# Altium PCB PowerAMP.PcbDoc (part 2 of 4)
Units mm, origin at the board's own origin, x right, y up, seen from the top; angles counter-clockwise.
Board outline 211.5 x 142.58 mm, 2 copper layers (Top Layer, Bottom Layer), stack 1.635 mm thick; 274 components, 177 nets, 874 pads, 679 vias.
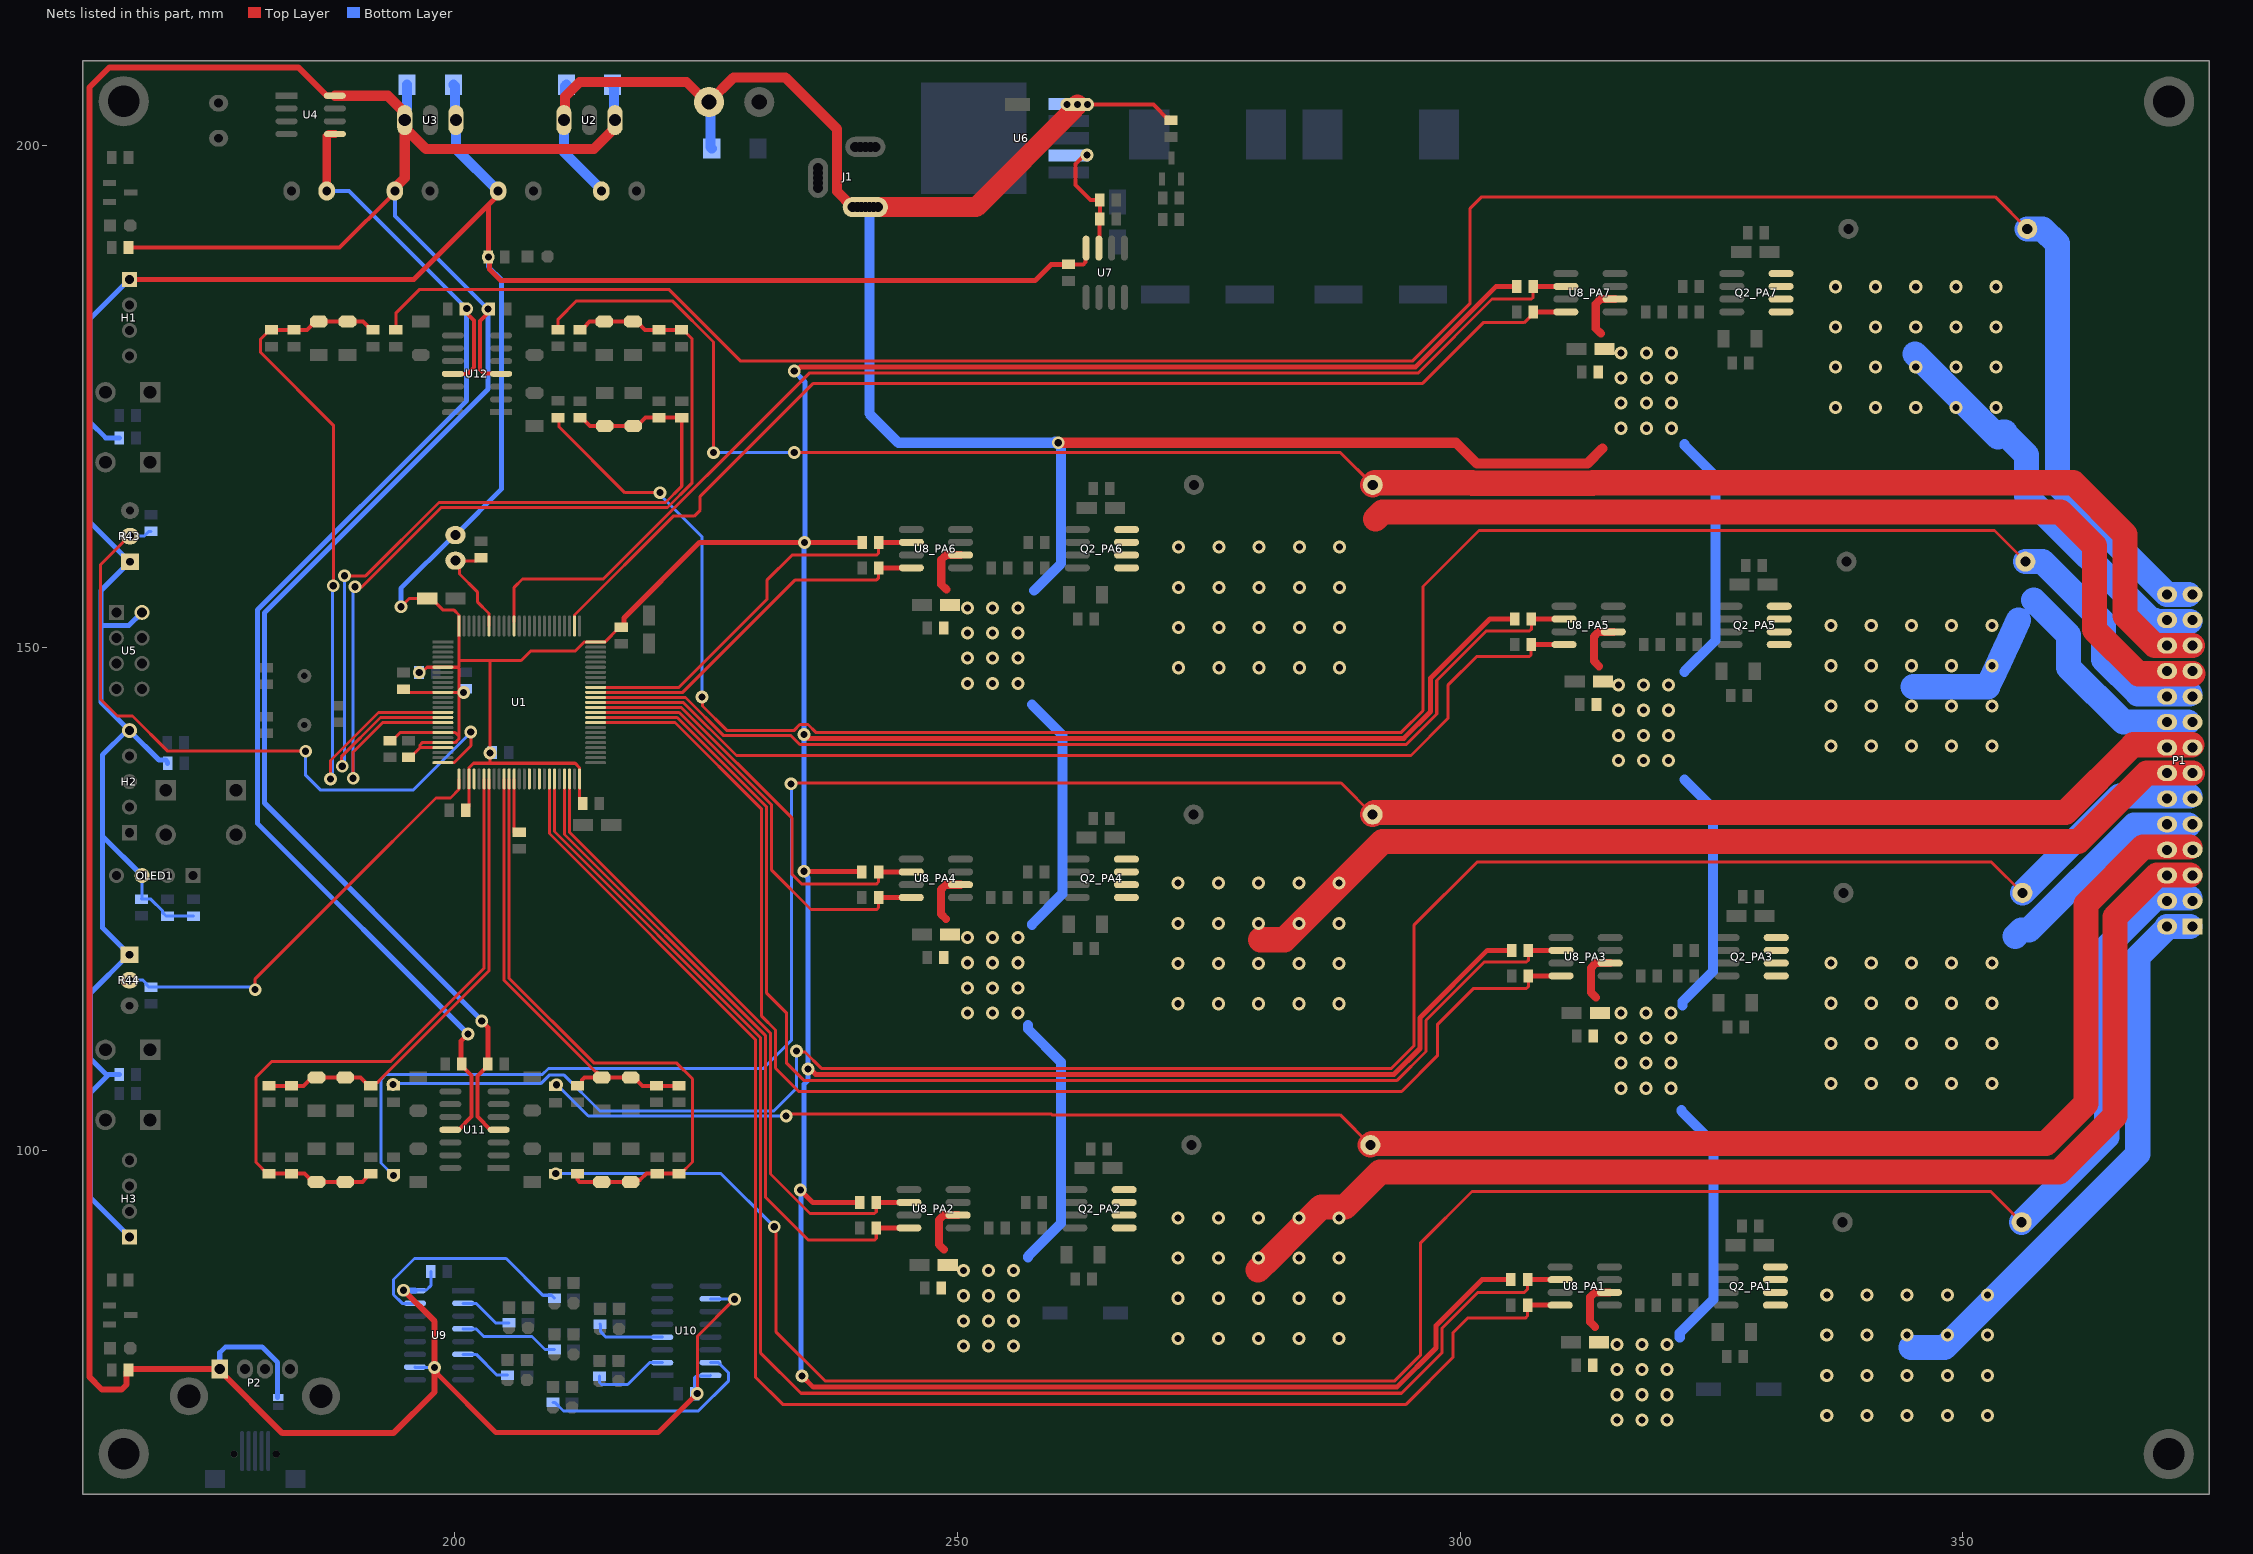
[diagram p2: the nets of this part, all layers, seen from the top]

## Via types
v1: diameter 1.3, hole 0.7, Top Layer to Bottom Layer, tented both sides, 556 vias
v2: diameter 1.27, hole 0.711, Top Layer to Bottom Layer, tented both sides, 92 vias
v3: diameter 1.27, hole 0.7, Top Layer to Bottom Layer, tented both sides, 31 vias

## Nets (pads, with @x,y where several pads share a name; then routed paths per layer and width w, separated by ;. In a path a pad name is that pad's centre, name@x,y a point inside that pad or via, vN(x,y) a via of type N, cw(c..) or ccw(c..) an arc to the next point about the centre after c; other vN are vias at no path point)
+3v3: C3.1 C11.2 C14.2 C15.2 C16.2 C17.1 C19.2 C20.2 C21.2 C24.2 C25.1 C47.2 C50.1 D2.1 H1.1 H2.5 H3.1 JP1.1 OLED1.3 R1.2 R7.1 R9_PA1.1 R9_PA2.1 R9_PA3.1 R9_PA4.1 R9_PA5.1 R9_PA6.1 R9_PA7.1 R41.1 R42.1 R43.1 R44.1 R47.2 R48.2 U1.6 U1.11 U1.19 U1.21 U1.22 U1.28 U1.50 U1.75 U1.100 U3.3 U5.2 U7.8 | length 837.9
  Top Layer w0.3: C17.1@193.55,140.725 193.725,140.725 194.55,141.55 U1.19@198.8,141.55 200.025,141.55 200.401,141.174 ; v2(194.625,154.075) 195.425,154.875 197.225,154.875 C25.1@197.25,154.9 197.65,154.9 198.825,153.725 199.925,153.725 200.4,153.25 U1.100@200.4,152.15 200.4,148.725 ; C19.2@195.025,146 195.35,145.675 195.35,145.55 U1.11@198.8,145.55 200.351,145.55 200.4,145.501 200.4,148.05 ; C14.2@195.375,139.075 195.55,139.075 196.525,140.05 ; v2(196.453,147.515) 196.465,147.527 196.69,147.527 197.212,148.05 U1.6@198.8,148.05 200.4,148.05 ; U1.22@198.8,140.05 196.525,140.05 ; JP1.1@199.545,161.02 JP1.1@200.05,161.02 ; v3@200.401,145.5 200.401,141.174 ; C15.2@201.1,133.825 201.4,134.125 U1.28@201.4,136.95 201.4,138.057 201.843,138.5 203.475,138.5 ; C16.2@212.825,134.5 212.825,134.675 212.4,135.1 U1.50@212.4,136.95 212.4,138.057 211.957,138.5 203.475,138.5 ; C21.2@216.55,152.025 216.375,152.025 214.9,150.55 U1.75@214,150.55 212.85,150.55 211.95,149.65 207.518,149.65 206.593,148.725 203.496,148.725 ; 196.525,140.05 196.525,140.325 196.75,140.55 U1.21@198.8,140.55 200.025,140.55 200.401,140.926 200.401,141.174 ; 200.4,148.05 200.4,148.725 ; 200.4,148.725 203.496,148.725 ; 203.475,138.5 203.496,138.521 203.496,148.725
  Top Layer w0.4: C11.2@261.025,188.125 262.508,188.125 262.742,188.359 262.742,189.697 U7.8@262.795,189.75
  Top Layer w0.5: H1.1@167.625,186.64 195.92,186.64 203.325,194.045 ; C3.1@204.3,195.425 204.3,195.02 203.325,194.045 ; C21.2@216.55,152.025 216.775,152.25 216.813,152.25 216.813,152.948 224.315,160.45 v2(234.79,160.45) 234.9,160.45 234.931,160.481 R9_PA6.1@240.507,160.481 ; v2(233.75,177.515) 233.958,177.515 234.343,177.9 295.55,177.9 303.59,185.94 R9_PA7.1@305.618,185.94 ; v2(234.365,96.053) 235.611,94.807 R9_PA2.1@240.265,94.807 ; v2(234.525,77.55) 235.65,76.425 293.7,76.425 297.6,80.325 297.6,82.549 302.173,87.122 R9_PA1.1@305.055,87.122 ; v2(234.715,127.75) 234.748,127.717 240.46,127.717 R9_PA4.1@240.493,127.684 ; v2(234.715,141.36) 234.758,141.36 235.143,140.975 294.399,140.975 297.075,143.651 297.075,146.975 302.949,152.849 R9_PA5.1@305.437,152.849 ; v2(235.129,108.079) 235.337,108.079 235.865,107.55 293.425,107.55 296,110.125 296,113.175 302.71,119.885 R9_PA3.1@305.136,119.885 R9_PA3.1@305.106,119.855 ; C11.2@261.025,188.125 259.325,188.125 257.721,186.521 204.554,186.521 203.436,187.639 203.436,188.764 v2(203.325,188.875) 203.325,194.045
  Bottom Layer w0.3: OLED1.3@168.875,127.325 168.875,125.05 C47.2@168.8,124.975 169.75,124.975 170.925,123.8 170.925,123.625 171.25,123.3 R48.2@171.425,123.3 R47.2@174,123.3
  Bottom Layer w0.5: 165.536,107.525 R41.1@166.625,107.525 ; R42.1@166.625,170.875 165.252,170.875 163.675,172.452 ; H3.1@167.625,91.385 163.762,95.248 163.762,105.75 165.431,107.419 163.75,109.1 163.75,115.643 R44.1@167.561,119.455 ; R44.1@167.625,119.455 R44.1@167.561,119.455 ; H1.1@167.625,186.64 163.675,182.69 163.675,172.452 ; R43.1@167.738,158.56 R43.1@167.675,158.56 R43.1@167.611,158.56 ; U5.2@168.866,153.5 167.566,152.2 164.8,152.2 ; OLED1.3@168.875,127.325 164.95,131.25 ; R7.1@171.425,138.5 171.425,138.59 171.2,138.815 170.555,138.815 H2.5@167.625,141.745 ; v2(194.625,154.075) 194.625,155.897 199.923,161.195 JP1.1@200.05,161.195 204.65,165.795 204.65,186.571 203.325,187.896 v2(203.325,188.875) ; v2(233.75,177.515) 234.835,176.43 234.835,160.495 v2(234.79,160.45) ; v2(234.525,77.55) 234.445,77.63 234.445,95.973 v2(234.365,96.053) 234.75,96.053 234.75,106.594 235.125,106.969 235.125,108.079 235.125,127.132 234.715,127.542 v2(234.715,127.75) ; v2@234.75,127.75 234.75,141.36 v2@234.75,160.45 ; 163.675,172.452 163.675,162.496 R43.1@167.611,158.56 ; 164.8,152.2 164.8,155.685 167.036,157.921 167.036,157.984 R43.1@167.611,158.56 ; 164.8,152.2 164.8,144.57 H2.5@167.625,141.745 ; 164.95,131.25 164.95,122.13 166.986,120.094 166.986,120.03 R44.1@167.561,119.455 ; 164.95,131.25 164.95,139.341 167.354,141.745 H2.5@167.625,141.745
  Bottom Layer w1: D2.1@199.85,206 199.994,205.856 199.994,202.571 U3.3@200.09,202.475 200.09,199.635 C3.1@204.3,195.425
  other v3: 203.5,139.525 200.875,145.525
+5: C2.1 C4.1 C38.2 C40.2 C42.1 D1.1 D2.2 P2.1 R37.2 R39.2 U2.3 U3.1 U4.8 U9.10 U9.16 U10.10 U10.16 U11.4 U12.4 W1.2 | length 473.3
  Top Layer w0.3: v2(224.1,75.8) 224.15,75.85 224.15,81.525 v2(227.8,85.175)
  Top Layer w0.4: R37.2@167.525,78.125 R37.2@167.635,78.235 ; R39.2@167.525,189.8 188.527,189.8 194.025,195.298 C2.1@194.025,195.425 ; C40.2@203.275,108.588 203.275,108.413 202.25,107.388 202.25,103.338 203.55,102.038 U11.4@204.35,102.038 ; C38.2@203.488,183.487 202.491,182.49 202.491,177.674 202.891,177.274 204.556,177.274 U12.4@204.591,177.24
  Top Layer w0.5: v2(197.975,78.375) 197.975,78.167 198.279,77.862 198.279,77.721 204.075,71.925 220.225,71.925 v2(224.1,75.8) ; v2(202.675,112.866) 202.675,112.825 203.275,112.225 C40.2@203.275,108.588
  Top Layer w0.6: R37.2@167.525,78.125 167.35,77.95 167.35,76.7 166.85,76.2 164.875,76.2 163.627,77.448 163.627,205.725 165.636,207.734 184.421,207.734 187.25,204.905 U4.8@188.05,204.905 ; R37.2@167.635,78.235 P2.1@176.605,78.235 176.605,78.085 182.84,71.85 193.874,71.85 197.975,75.951 v2@197.975,78.167 ; v2(194.885,86.075) 197.975,82.985 v2(197.975,78.375)
  Top Layer w1: U4.8@188.05,204.905 193.33,204.905 195.01,203.225 U3.1@195.01,202.475 U3.1@195.01,201.725 ; C2.1@194.025,195.425 194.025,195.728 195.01,196.713 U3.1@195.01,201.725 ; U2.3@215.925,202.475 215.925,201.725 213.825,199.625 197.11,199.625 U3.1@195.01,201.725
  Bottom Layer w0.3: U9.10@196.025,78.425 196.05,78.4 197.95,78.4 v2(197.975,78.375) ; U9.16@196.025,86.045 196.082,86.102 197.177,86.102 197.6,86.525 C4.1@197.6,87.925 ; C42.1@223.85,75.8 223.85,77.375 224.018,77.543 225.368,77.543 U10.16@225.425,77.6 ; U10.10@225.425,85.22 225.447,85.198 227.777,85.198 v2(227.8,85.175)
  Bottom Layer w0.4: C2.1@194.025,195.425 194.025,192.95 v2(203.3,183.675)
  Bottom Layer w0.5: P2.1@176.605,78.235 176.605,79.855 177.193,80.443 180.815,80.443 182.355,78.903 W1.2@182.355,75.425 ; v2(202.675,112.866) 202.675,112.913 181.05,134.538 181.05,153.46 203.3,175.71 v2(203.3,183.675)
  Bottom Layer w0.6: v2(194.885,86.075) 194.9,86.06 196.01,86.06 U9.16@196.025,86.045
  Bottom Layer w1: U3.1@195.01,202.475 195.01,203.36 195.25,203.6 D2.2@195.25,206 ; D1.1@215.685,206 215.829,205.856 215.829,202.571 U2.3@215.925,202.475
+12: C1.1 C7.1 C26_PA1.1 C26_PA2.1 C26_PA3.1 C26_PA4.1 C26_PA5.1 C26_PA6.1 C26_PA7.1 C27_PA1.1 C27_PA2.1 C27_PA3.1 C27_PA4.1 C27_PA5.1 C27_PA6.1 C27_PA7.1 D1.2 D3.2 J1.1 R2.2 T1.2 U2.1 U6.1 U8_PA1.6 U8_PA2.6 U8_PA3.6 U8_PA4.6 U8_PA5.6 U8_PA6.6 U8_PA7.6 | length 370.8
  Top Layer w0.4: C7.1@262.925,203.652 v3(262.925,204.025) 269.475,204.025 271.05,202.45 R2.2@271.225,202.45
  Top Layer w0.8: 248.647,90.108 248.139,90.616 248.139,93.068 248.608,93.537 U8_PA2.6@250.065,93.537 ; 248.875,122.985 248.367,123.493 248.367,125.945 248.836,126.414 U8_PA4.6@250.293,126.414 ; 248.889,155.782 248.381,156.29 248.381,158.742 248.85,159.211 U8_PA6.6@250.307,159.211 ; 313.437,82.423 312.929,82.931 312.929,85.383 313.398,85.852 U8_PA1.6@314.855,85.852 ; 313.518,115.186 313.01,115.694 313.01,118.146 313.479,118.615 U8_PA3.6@314.936,118.615 ; 313.819,148.15 313.311,148.658 313.311,151.11 313.78,151.579 U8_PA5.6@315.237,151.579 ; 314,181.241 313.492,181.749 313.492,184.201 313.961,184.67 U8_PA7.6@315.418,184.67
  Top Layer w1: U2.1@210.845,202.475 210.941,202.571 210.941,204.805 212.411,206.275 223.032,206.275 225.032,204.275 T1.2@225.275,204.275 227.7,206.7 232.9,206.7 238.025,201.575 238.025,195.375 239.479,193.921 239.794,193.921 J1.1@239.794,193.825 ; v2(260.025,170.385) 299.59,170.385 301.672,168.303 312.653,168.303 314.15,169.8
  Top Layer w1.5: J1.1@239.575,193.825 239.794,193.825 J1.1@240.025,193.825 J1.1@240.425,193.825
  Top Layer w2: J1.1@241.625,193.825 J1.1@242.075,193.825 251.851,193.825 261.463,203.437 261.463,203.537 v3(261.952,204.025)
  Bottom Layer w1: D1.2@211.085,206 210.941,205.856 210.941,202.571 U2.1@210.845,202.475 210.845,199.282 214.575,195.552 C1.1@214.575,195.425 ; T1.2@225.275,204.275 225.413,204.137 225.413,199.788 D3.2@225.55,199.65 ; J1.1@241.225,193.825 241.225,173.275 244.115,170.385 v2@259.829,170.385 ; 257,89.35 257,89.444 260.275,92.719 260.275,108.791 257,112.066 257,112.45 ; 257.4,122.4 257.4,122.493 260.425,125.518 260.425,141.3 257.4,144.325 ; 257.625,155.675 260.3,158.35 260.3,169.914 v2@259.829,170.385 ; v2@259.714,170.5 v2@259.829,170.385 ; v2(260.025,170.385) v2@259.829,170.385 ; 321.85,81.35 321.85,81.819 325.2,85.169 325.2,100.71 322.025,103.885 322.025,104.025 ; 322.125,114.425 322.125,114.776 325.15,117.801 325.15,134.025 322.3,136.875 ; 322.325,147.575 322.325,147.639 325.4,150.714 325.4,167.047 322.325,170.122 322.325,170.275
  Bottom Layer w2: J1.1@240.025,193.825 J1.1@240.425,193.825 J1.1@240.825,193.825 J1.1@241.225,193.825
  other v1: 315.6,73.175 318.1,73.175 320.6,73.175 315.6,75.675 318.1,75.675 320.6,75.675 315.6,78.175 318.1,78.175 320.6,78.175 250.575,80.525 253.075,80.525 255.575,80.525 315.6,80.675 318.1,80.675 320.6,80.675 250.575,83.025 253.075,83.025 255.575,83.025 250.575,85.525 253.075,85.525 255.575,85.525 250.575,88.025 253.075,88.025 255.575,88.025 315.996,106.166 318.496,106.166 320.996,106.166 315.996,108.666 318.496,108.666 320.996,108.666 315.996,111.166 318.496,111.166 320.996,111.166 251,113.65 253.5,113.65 256,113.65 315.996,113.666 318.496,113.666 320.996,113.666 251,116.15 253.5,116.15 256,116.15 251,118.65 253.5,118.65 256,118.65 251,121.15 253.5,121.15 256,121.15 315.75,138.775 318.25,138.775 320.75,138.775 315.75,141.275 318.25,141.275 320.75,141.275 315.75,143.775 318.25,143.775 320.75,143.775 315.75,146.275 318.25,146.275 320.75,146.275 251,146.45 253.5,146.45 256,146.45 251,148.95 253.5,148.95 256,148.95 251,151.45 253.5,151.45 256,151.45 251,153.95 253.5,153.95 256,153.95 316.025,171.825 318.525,171.825 321.025,171.825 316.025,174.325 318.525,174.325 321.025,174.325 316.025,176.825 318.525,176.825 321.025,176.825 316.025,179.325 318.525,179.325 321.025,179.325
  other v3: 260.9,204.05
-5: C5.2 C39.2 C41.2 U4.5 U11.11 U12.11 | length 135
  Top Layer w0.4: U11.11@199.55,102.038 200.35,102.038 201.65,103.338 201.65,107.438 C41.2@200.675,108.413 ; U12.11@199.791,177.24 201.266,177.24 201.891,177.865 201.891,182.54 200.916,183.515 201.126,183.725 v2(201.175,183.725)
  Top Layer w0.5: C41.2@200.675,108.413 200.588,108.5 200.588,110.844 v2(201.309,111.566)
  Top Layer w0.8: C5.2@187.25,195.425 187.25,200.895 187.45,201.095 U4.5@188.05,201.095
  Bottom Layer w0.4: C5.2@187.25,195.425 189.475,195.425 v2(201.175,183.725)
  Bottom Layer w0.5: v2(201.175,183.725) 201.175,174.575 180.35,153.75 180.35,132.525 v2(201.309,111.566)
ADC1: C31.2 D9.2 D11.2 R18.2 R22.2 U1.36 | length 63.5
  Top Layer w0.3: U1.36@205.4,136.95 205.4,134.575 205.39,134.565 205.39,117.11 213.8,108.7 222.025,108.7 223.625,107.1 223.625,98.823 C31.2@222.475,97.673
  Top Layer w0.4: R18.2@212.2,97.673 212.175,97.648 212.175,97.072 212.409,96.838 214.615,96.838 D9.2@214.625,96.848 D11.2@217.475,96.848 217.692,97.065 218.427,97.065 219.035,97.673 R22.2@220.125,97.673 C31.2@222.3,97.673 C31.2@222.475,97.673
ADC2: C33.2 D15.2 D17.2 R24.2 R28.2 U1.35 | length 44.7
  Top Layer w0.3: U1.35@204.9,136.95 204.9,134.782 204.89,134.772 204.89,116.903 214.063,107.73 D15.2@214.133,107.73
  Top Layer w0.4: R24.2@212.2,106.413 212.375,106.413 212.65,106.688 212.65,107.003 212.884,107.238 D15.2@214.533,107.238 ; D15.2@214.133,107.73 214.133,107.638 D15.2@214.533,107.238 ; C33.2@222.3,106.413 R28.2@220.05,106.413 218.674,106.413 217.849,107.238 D17.2@217.475,107.238 D15.2@214.625,107.238 D15.2@214.533,107.238
ADC3: C35.2 D21.2 D23.2 R30.2 R34.2 U1.32 | length 46.4
  Top Layer w0.3: R30.2@191.45,106.403 R30.2@191.625,106.403 191.95,106.728 192.278,106.728 192.778,107.228 203.4,117.85 U1.32@203.4,136.95
  Top Layer w0.4: C35.2@181.5,106.403 R34.2@183.75,106.403 184.96,106.403 185.785,107.228 D23.2@186.225,107.228 D21.2@189.075,107.228 190.625,107.228 R30.2@191.45,106.403
ADC4: C37.2 D27.2 D29.2 R36.2 R40.2 U1.31 | length 67.2
  Top Layer w0.3: C37.2@181.325,97.673 180.2,98.798 180.2,107.25 181.8,108.85 193.65,108.85 202.9,118.1 U1.31@202.9,136.95
  Top Layer w0.4: C37.2@181.325,97.673 C37.2@181.5,97.673 R40.2@183.75,97.673 185.026,97.673 185.851,96.848 D29.2@186.225,96.848 D27.2@189.075,96.848 190.8,96.848 191.175,97.223 191.175,97.398 191.45,97.673 R36.2@191.625,97.673
ADC5: C32.2 D10.2 D12.2 R19.2 R23.2 U1.16 | length 86.6
  Top Layer w0.3: v2(188.785,138.2) 188.7,138.285 188.7,139.143 192.607,143.05 U1.16@198.8,143.05 ; v2(189.025,157.15) 191.125,157.15 198.409,164.434 220.939,164.434 222.566,166.06 C32.2@222.566,172.875
  Top Layer w0.4: R19.2@212.441,172.875 212.616,172.875 212.891,172.6 212.891,172.575 213.416,172.05 D10.2@214.891,172.05 D12.2@217.741,172.05 218.114,172.05 218.939,172.875 R23.2@220.316,172.875 C32.2@222.566,172.875
  Bottom Layer w0.3: v2(188.785,138.2) 189.025,138.44 v2(189.025,157.15)
ADC6: C34.2 D16.2 D18.2 R25.2 R29.2 U1.17 | length 96.3
  Top Layer w0.3: v2(189.875,137) 189.875,139.611 192.814,142.55 U1.17@198.8,142.55 ; v2(190.05,156.06) 190.135,155.975 190.675,155.975 198.634,163.934 221.147,163.934 223.566,166.353 223.566,180.755 222.716,181.605 C34.2@222.541,181.605
  Top Layer w0.4: R25.2@212.441,181.605 212.616,181.605 212.891,181.88 212.891,181.918 213.403,182.43 D16.2@214.866,182.43 D18.2@217.716,182.43 218.089,182.43 218.914,181.605 R29.2@220.291,181.605 C34.2@222.541,181.605
  Bottom Layer w0.3: v2(189.875,137) 189.875,155.8 190.05,155.975 v2(190.05,156.06)
ADC7: C36.2 D22.2 D24.2 R31.2 R35.2 U1.15 | length 74.2
  Top Layer w0.3: C36.2@181.741,181.605 181.566,181.605 180.65,180.689 180.65,179.375 187.9,172.125 v2(187.9,156.15) ; v2(187.625,136.925) 187.625,138.782 192.393,143.55 U1.15@198.8,143.55
  Top Layer w0.4: C36.2@181.741,181.605 R35.2@183.991,181.605 185.267,181.605 186.092,182.43 D24.2@186.466,182.43 D22.2@189.316,182.43 190.866,182.43 191.691,181.605 R31.2@191.866,181.605
  Bottom Layer w0.3: v2(187.625,136.925) 187.8,137.1 187.8,156.05 v2(187.9,156.15)
ADC10: C45.2 R43.3 U1.25 | length 69
  Top Layer w0.3: R43.3@167.675,161.1 167.611,161.1 164.726,158.215 164.726,144.899 166.425,143.2 167.925,143.2 171.425,139.7 v2(185.15,139.7) ; U1.25@198.8,138.55 199.907,138.55 201.6,140.243 201.6,141.575 v2(201.579,141.596)
  Bottom Layer w0.3: R43.3@167.675,161.1 169.1,161.1 169.575,161.575 C45.2@169.75,161.575 ; v2(185.15,139.7) 185.15,137.3 186.6,135.85 195.875,135.85 201.579,141.554 v2(201.579,141.596)
ADC11: C46.2 R44.3 U1.26 | length 43.1
  Top Layer w0.3: v2(180.125,115.975) 180.125,117.05 189.623,126.548 198.125,135.05 199.55,135.05 200.4,135.9 U1.26@200.4,136.95
  Bottom Layer w0.3: R44.3@167.625,116.915 168.964,116.915 169.25,116.629 169.25,116.55 169.575,116.225 179.875,116.225 v2(180.125,115.975)
Boot0: JP1.2 R8.2 U1.94 | length 10.4
  Top Layer w0.3: JP1.2@200.05,158.655 200.459,158.246 200.459,157.316 202.225,155.55 202.225,154.575 203.4,153.4 U1.94@203.4,152.15 ; JP1.2@200.17,158.6 R8.2@202.04,158.6 ; R8.2@202.1,158.6 202.163,158.663 202.338,158.663 R8.2@202.6,158.925
Boot1: R15.2 U1.37 | length 5.3
  Top Layer w0.3: R15.2@205.9,131.625 205.9,131.95 205.89,131.96 205.89,134.358 205.9,134.368 U1.37@205.9,136.95
clk1: R9_PA1.2 U1.45 U8_PA1.2 | length 153.5
  Top Layer w0.3: U1.45@209.9,136.95 209.9,131.711 230.385,111.226 230.385,79.865 234.425,75.825 294.175,75.825 298.2,79.85 298.2,82.3 301.725,85.825 306.36,85.825 306.705,86.17 R9_PA1.2@306.705,87.122
  Top Layer w0.5: R9_PA1.2@306.705,87.122 U8_PA1.2@309.955,87.122
clk2: R9_PA2.2 U1.48 U8_PA2.2 | length 64
  Top Layer w0.3: U1.48@211.4,136.95 211.4,131.625 231.385,111.64 231.385,97.64 235.325,93.7 241.739,93.7 241.915,93.876 R9_PA2.2@241.915,94.807
  Top Layer w0.5: R9_PA2.2@241.915,94.807 U8_PA2.2@245.165,94.807
clk3: R9_PA3.2 U1.60 U8_PA3.2 | length 132.5
  Top Layer w0.3: U1.60@214,143.05 222.107,143.05 231.015,134.142 231.015,115.628 233.001,113.642 233.001,108.649 234.7,106.95 293.732,106.95 296.6,109.818 296.6,112.926 302.399,118.725 306.61,118.725 306.786,118.901 R9_PA3.2@306.786,119.885
  Top Layer w0.5: R9_PA3.2@306.786,119.885 U8_PA3.2@310.036,119.885
clk4: R9_PA4.2 U1.62 U8_PA4.2 | length 42.5
  Top Layer w0.3: U1.62@214.475,144.05 222.521,144.05 233.55,133.021 233.55,127.428 234.478,126.5 241.967,126.5 242.143,126.676 R9_PA4.2@242.143,127.684
  Top Layer w0.5: R9_PA4.2@242.143,127.684 U8_PA4.2@245.393,127.684
clk5: R9_PA5.2 U1.64 U8_PA5.2 | length 106
  Top Layer w0.3: U1.64@214,145.05 222.936,145.05 226.741,141.245 233.437,141.245 234.307,140.375 294.647,140.375 297.675,143.403 297.675,146.726 302.599,151.65 306.911,151.65 307.087,151.826 R9_PA5.2@307.087,152.849
  Top Layer w0.5: R9_PA5.2@307.087,152.849 U8_PA5.2@310.337,152.849
clk6: R9_PA6.2 U1.66 U8_PA6.2 | length 39.1
  Top Layer w0.3: U1.66@214,146.05 222.293,146.05 231.025,154.782 231.025,156.693 233.557,159.225 241.975,159.225 242.157,159.407 R9_PA6.2@242.157,160.481
  Top Layer w0.5: R9_PA6.2@242.157,160.481 U8_PA6.2@245.407,160.481
clk7: R9_PA7.2 U1.89 U8_PA7.2 | length 121.1
  Top Layer w0.3: U1.89@205.9,152.55 205.9,156 206.725,156.825 214.761,156.825 235.236,177.3 267.014,177.3 295.799,177.3 303.174,184.675 307.092,184.675 307.268,184.851 R9_PA7.2@307.268,185.94
  Top Layer w0.5: R9_PA7.2@307.268,185.94 U8_PA7.2@310.518,185.94
clk8: U1.40
clk_p1: R13_PA1.1 U1.44 U8_PA1.4 | length 155.3
  Top Layer w0.3: U1.44@209.4,136.95 209.4,131.504 229.885,111.019 229.885,77.447 232.607,74.725 294.631,74.725 299.3,79.394 299.3,81.844 300.783,83.327 306.529,83.327 306.705,83.503 R13_PA1.1@306.705,84.582
  Top Layer w0.5: R13_PA1.1@306.705,84.582 U8_PA1.4@309.955,84.582
clk_p2: R13_PA2.1 U1.47 U8_PA2.4 | length 67.1
  Top Layer w0.3: U1.47@210.9,136.95 210.9,131.418 230.885,111.433 230.885,95.34 235.175,91.05 241.739,91.05 241.915,91.226 R13_PA2.1@241.915,92.267
  Top Layer w0.5: R13_PA2.1@241.915,92.267 U8_PA2.4@245.165,92.267
clk_p3: R13_PA3.1 U1.59 U8_PA3.4 | length 132.7
  Top Layer w0.3: U1.59@214,142.55 221.9,142.55 230.515,133.935 230.515,113.342 231.885,111.972 231.885,108.165 234.2,105.85 294.188,105.85 297.725,109.387 297.725,112.496 301.304,116.075 301.677,116.075 301.692,116.09 306.61,116.09 306.786,116.266 R13_PA3.1@306.786,117.345
  Top Layer w0.5: R13_PA3.1@306.786,117.345 U8_PA3.4@310.036,117.345
clk_p4: R13_PA4.1 U1.61 U8_PA4.4 | length 44.4
  Top Layer w0.3: U1.61@214,143.55 222.314,143.55 231.515,134.349 231.515,127.867 235.432,123.95 241.967,123.95 242.143,124.126 R13_PA4.1@242.143,125.144
  Top Layer w0.5: R13_PA4.1@242.143,125.144 U8_PA4.4@245.393,125.144
clk_p5: R13_PA5.1 U1.63 U8_PA5.4 | length 105.2
  Top Layer w0.3: U1.63@214.4,144.55 222.728,144.55 228.003,139.275 295.103,139.275 298.775,142.947 298.775,146.25 301.65,149.125 306.892,149.125 307.068,149.301 307.068,150.29 R13_PA5.1@307.087,150.309
  Top Layer w0.5: R13_PA5.1@307.087,150.309 U8_PA5.4@310.337,150.309
clk_p6: R13_PA6.1 U1.65 U8_PA6.4 | length 37.1
  Top Layer w0.3: U1.65@214,145.55 222.668,145.55 233.868,156.75 241.956,156.75 242.157,156.951 R13_PA6.1@242.157,157.941
  Top Layer w0.5: R13_PA6.1@242.157,157.941 U8_PA6.4@245.407,157.941
clk_p7: R13_PA7.1 U1.77 U8_PA7.4 | length 112.7
  Top Layer w0.3: U1.77@211.9,152.525 211.9,153.257 221.718,163.075 223.797,163.075 224.399,163.678 224.399,165.049 235.65,176.3 296.275,176.3 302.3,182.325 306.368,182.325 307.268,183.225 R13_PA7.1@307.268,183.4
  Top Layer w0.5: R13_PA7.1@307.268,183.4 U8_PA7.4@310.518,183.4
clkN8: U1.42
coilH1: P1.1 P1.2 Q2_PA1.5 Q2_PA1.6 Q2_PA1.7 Q2_PA1.8 | length 56.6
  Bottom Layer w2.5: 344.864,80.384 348.184,80.384 367.411,99.611 367.411,119.211 370.332,122.132 P1.2@370.332,122.271 P1.1@372.6,122.271
  other v1: 336.475,73.6 340.475,73.6 344.475,73.6 348.475,73.6 352.475,73.6 336.475,77.6 340.475,77.6 344.475,77.6 348.475,77.6 352.475,77.6 336.475,81.6 340.475,81.6 344.475,81.6 348.475,81.6 352.475,81.6 336.475,85.6 340.475,85.6 344.475,85.6 348.475,85.6 352.475,85.6
coilH2: P1.5 P1.6 Q2_PA2.5 Q2_PA2.6 Q2_PA2.7 Q2_PA2.8 | length 120.6
  Top Layer w2.5: 279.906,88.069 281.178,89.342 283.678,91.842 286.178,94.342 288.561,94.342 292.041,97.822 359.569,97.822 365.158,103.411 365.158,123.215 369.324,127.381 P1.5@372.618,127.381
  other v1: 271.95,81.275 275.95,81.275 279.95,81.275 283.95,81.275 287.95,81.275 271.95,85.275 275.95,85.275 279.95,85.275 283.95,85.275 287.95,85.275 271.95,89.275 275.95,89.275 279.95,89.275 283.95,89.275 287.95,89.275 271.95,93.275 275.95,93.275 279.95,93.275 283.95,93.275 287.95,93.275
coilH3: P1.9 P1.10 Q2_PA3.5 Q2_PA3.6 Q2_PA3.7 Q2_PA3.8 | length 21.7
  Bottom Layer w2.5: 355.219,121.285 355.831,121.897 356.593,121.897 367.03,132.334 P1.10@370.235,132.334 ; P1.10@370.413,132.35 P1.9@372.475,132.35
  other v1: 336.9,106.625 340.9,106.625 344.9,106.625 348.9,106.625 352.9,106.625 336.9,110.625 340.9,110.625 344.9,110.625 348.9,110.625 352.9,110.625 336.9,114.625 340.9,114.625 344.9,114.625 348.9,114.625 352.9,114.625 336.9,118.625 340.9,118.625 344.9,118.625 348.9,118.625 352.9,118.625
coilH4: P1.13 P1.14 Q2_PA4.5 Q2_PA4.6 Q2_PA4.7 Q2_PA4.8 | length 99.6
  Top Layer w2.5: 280.134,120.946 282.517,120.946 292.269,130.699 361.492,130.699 368.304,137.511 P1.14@370.332,137.511 P1.13@372.872,137.511
  other v1: 271.95,114.575 275.95,114.575 279.95,114.575 283.95,114.575 287.95,114.575 271.95,118.575 275.95,118.575 279.95,118.575 283.95,118.575 287.95,118.575 271.95,122.575 275.95,122.575 279.95,122.575 283.95,122.575 287.95,122.575 271.95,126.575 275.95,126.575 279.95,126.575 283.95,126.575 287.95,126.575
coilH5: P1.17 P1.18 Q2_PA5.5 Q2_PA5.6 Q2_PA5.7 Q2_PA5.8 | length 37
  Bottom Layer w2.5: 345.078,146.111 352.49,146.111 353.21,147.664 353.359,147.987 353.652,148.618 354.163,149.722 354.605,150.676 355.559,152.734 ; 357.06,154.749 360.54,151.269 360.54,148.035 365.984,142.591 P1.17@372.425,142.591
  other v1: 336.9,140.2 340.9,140.2 344.9,140.2 348.9,140.2 352.9,140.2 336.9,144.2 340.9,144.2 344.9,144.2 348.9,144.2 352.9,144.2 336.9,148.2 340.9,148.2 344.9,148.2 348.9,148.2 352.9,148.2 336.9,152.2 340.9,152.2 344.9,152.2 348.9,152.2 352.9,152.2
coilH6: P1.21 P1.22 Q2_PA6.5 Q2_PA6.6 Q2_PA6.7 Q2_PA6.8 | length 93.2
  Top Layer w2.5: 291.592,162.814 292.274,163.496 359.736,163.496 363.1,160.132 363.1,151.775 367.475,147.4 370.332,147.4 P1.21@372.9,147.4
  other v1: 272,148 276,148 280,148 284,148 288,148 272,152 276,152 280,152 284,152 288,152 272,156 276,156 280,156 284,156 288,156 272,160 276,160 280,160 284,160 288,160
coilH7: P1.25 P1.26 Q2_PA7.5 Q2_PA7.6 Q2_PA7.7 Q2_PA7.8 | length 40.6
  Bottom Layer w2.5: 345.259,179.202 349.761,174.701 353.511,170.951 ; 354.01,171.45 354.076,171.45 ; 354.203,171.45 354.076,171.45 ; P1.25@372.618,152.591 369.214,152.591 369.054,152.751 368.711,152.751 356.362,165.1 356.362,169.164 354.076,171.45
  other v1: 337.325,173.9 341.325,173.9 345.325,173.9 349.325,173.9 353.325,173.9 337.325,177.9 341.325,177.9 345.325,177.9 349.325,177.9 353.325,177.9 337.325,181.9 341.325,181.9 345.325,181.9 349.325,181.9 353.325,181.9 337.325,185.9 341.325,185.9 345.325,185.9 349.325,185.9 353.325,185.9
coilL1: P1.3 P1.4 R14_PA1.2 R20.1 | length 217.2
  Top Layer w0.3: v2(231.763,92.388) 231.925,92.225 231.925,81.957 236.857,77.025 293.451,77.025 296.075,79.649 296.075,90.8 301.175,95.9 352.792,95.9 R14_PA1.2@355.855,92.837
  Bottom Layer w0.3: v2(210.025,97.673) 226.477,97.673 v2(231.763,92.388)
  Bottom Layer w2.5: R14_PA1.2@355.855,92.837 364.325,101.307 364.325,120.231 369.189,125.095 P1.3@372.6,125.095
coilL2: P1.7 P1.8 R14_PA2.2 R26.1 | length 189
  Top Layer w0.3: v2(232.95,103.4) 233.135,103.585 259.33,103.585 259.39,103.525 288.062,103.525 R14_PA2.2@291.065,100.522
  Top Layer w2.5: R14_PA2.2@291.065,100.522 291.218,100.675 358.275,100.675 362.25,104.65 362.25,124.475 367.95,130.175 P1.7@372.588,130.175
  Bottom Layer w0.3: v2(210.1,106.515) 210.16,106.515 213.275,103.4 v2(232.95,103.4)
coilL3: P1.11 P1.12 R14_PA3.2 R32.1 | length 206.8
  Top Layer w0.3: v2(233.986,109.88) 234.087,109.78 234.82,109.78 236.45,108.15 293.176,108.15 295.4,110.374 295.4,122.382 301.681,128.663 352.873,128.663 R14_PA3.2@355.936,125.6
  Bottom Layer w0.3: v2(193.85,106.54) 193.935,106.625 208.525,106.625 208.925,107.025 208.95,107.025 209.425,107.5 210.825,107.5 214.425,103.9 231.725,103.9 233.986,106.161 v2(233.986,109.88)
  Bottom Layer w2.5: R14_PA3.2@355.936,125.6 365.591,135.255 P1.11@372.588,135.255
coilL4: P1.15 P1.16 R14_PA4.2 R38.1 | length 221.7
  Top Layer w0.3: v2(233.425,136.45) 233.5,136.525 288.167,136.525 R14_PA4.2@291.293,133.399
  Top Layer w2.5: R14_PA4.2@291.293,133.399 291.494,133.6 360.225,133.6 366.966,140.341 P1.15@372.825,140.341
  Bottom Layer w0.3: v2(193.9,97.475) 192.65,98.725 192.65,107.025 193.15,107.525 208.7,107.525 209.3,108.125 230.675,108.125 233.485,110.935 233.485,136.39 v2(233.425,136.45)
coilL5: P1.19 P1.20 R14_PA5.2 R21.1 | length 210.7
  Top Layer w0.3: R21.1@210.266,172.89 210.35,172.806 210.35,171.965 216.896,165.419 v2(220.394,165.419) ; v2(224.575,145.1) 224.63,145.045 224.63,144.195 227.08,141.745 233.707,141.745 234.307,142.345 235.123,142.345 235.893,141.575 294.15,141.575 296.3,143.725 296.3,156.075 301.875,161.65 353.151,161.65 R14_PA5.2@356.237,158.564
  Bottom Layer w0.3: v2(220.394,165.419) 220.394,165.219 224.575,161.038 v2(224.575,145.1)
  Bottom Layer w2.5: R14_PA5.2@356.237,158.564 357.945,158.564 364,152.509 364,148.826 367.411,145.415 P1.19@372.588,145.415
coilL6: P1.23 P1.24 R14_PA6.2 R27.1 | length 190
  Top Layer w0.3: R27.1@210.266,181.64 210.266,182.679 212.087,184.5 221.625,184.5 225.725,180.4 v2(225.725,169.4) ; v2(233.75,169.425) 233.775,169.4 288.103,169.4 R14_PA6.2@291.307,166.196
  Top Layer w2.5: R14_PA6.2@291.307,166.196 291.511,166.4 301.174,166.4 301.221,166.353 313.19,166.353 313.237,166.4 361,166.4 366.141,161.259 366.141,153.17 369.1,150.211 P1.24@370.332,150.211 P1.23@372.872,150.211
  Bottom Layer w0.3: v2(225.725,169.4) 225.75,169.425 v2(233.75,169.425)
coilL7: P1.27 P1.28 R14_PA7.2 R33.1 | length 226.7
  Top Layer w0.3: R33.1@194.116,181.605 194.116,183.266 196.5,185.65 221.275,185.65 228.425,178.5 295.25,178.5 301,184.25 301,193.7 302.15,194.85 353.223,194.85 R14_PA7.2@356.418,191.655
  Bottom Layer w2.5: R14_PA7.2@356.418,191.655 357.946,191.655 359.41,190.191 359.41,166.213 P1.28@370.332,155.291 P1.27@372.475,155.291
DAC1: U1.29
FB: C10.2 R5.1 U6.4 U7.7 | length 11.4
  Top Layer w0.4: v2(262.875,199) 262.65,199 261.75,198.1 261.75,196.025 263.225,194.55 R5.1@264.15,194.55 C10.2@264.15,192.65 264.107,192.608 264.107,189.793 U7.7@264.065,189.75
G_led1: R17_L1.2 U9.2 | length 5.4
  Bottom Layer w0.3: U9.2@200.825,84.775 200.83,84.77 202.1,84.77 204.041,82.829 R17_L1.2@205.375,82.829
G_led2: R17_L2.2 U9.15 | length 22.5
  Bottom Layer w0.3: U9.15@196.025,84.775 194.755,84.775 193.9,85.63 193.9,87.15 195.975,89.225 205.1,89.225 208.75,85.575 209.604,85.575 R17_L2.2@209.9,85.279
G_led3: R17_L3.2 U10.4 | length 7.1
  Bottom Layer w0.3: R17_L3.2@214.425,82.704 214.495,82.633 214.495,81.955 215.04,81.41 U10.4@220.625,81.41
G_led4: R17_L4.2 U9.4 | length 9.9
  Bottom Layer w0.3: U9.4@200.825,82.235 200.83,82.24 202.09,82.24 202.855,81.475 207.675,81.475 208.971,80.179 R17_L4.2@209.9,80.179
G_led5: R17_L5.2 U10.2 | length 7.9
  Bottom Layer w0.3: R17_L5.2@214.375,77.529 214.375,76.901 214.572,76.704 217.189,76.704 219.355,78.87 U10.2@220.625,78.87
G_led6: R17_L6.2 U10.15 | length 22.1
  Bottom Layer w0.3: R17_L6.2@209.75,74.929 209.925,74.929 210.804,74.05 224.218,74.05 227.2,77.032 227.2,77.895 226.225,78.87 U10.15@225.425,78.87
G_led7: R17_L7.2 U9.6 | length 5.3
  Bottom Layer w0.3: U9.6@200.825,79.695 202.115,79.695 204.181,77.629 R17_L7.2@205.25,77.629